# KiCad board for_real_486_rc13.kicad_pcb (continued)
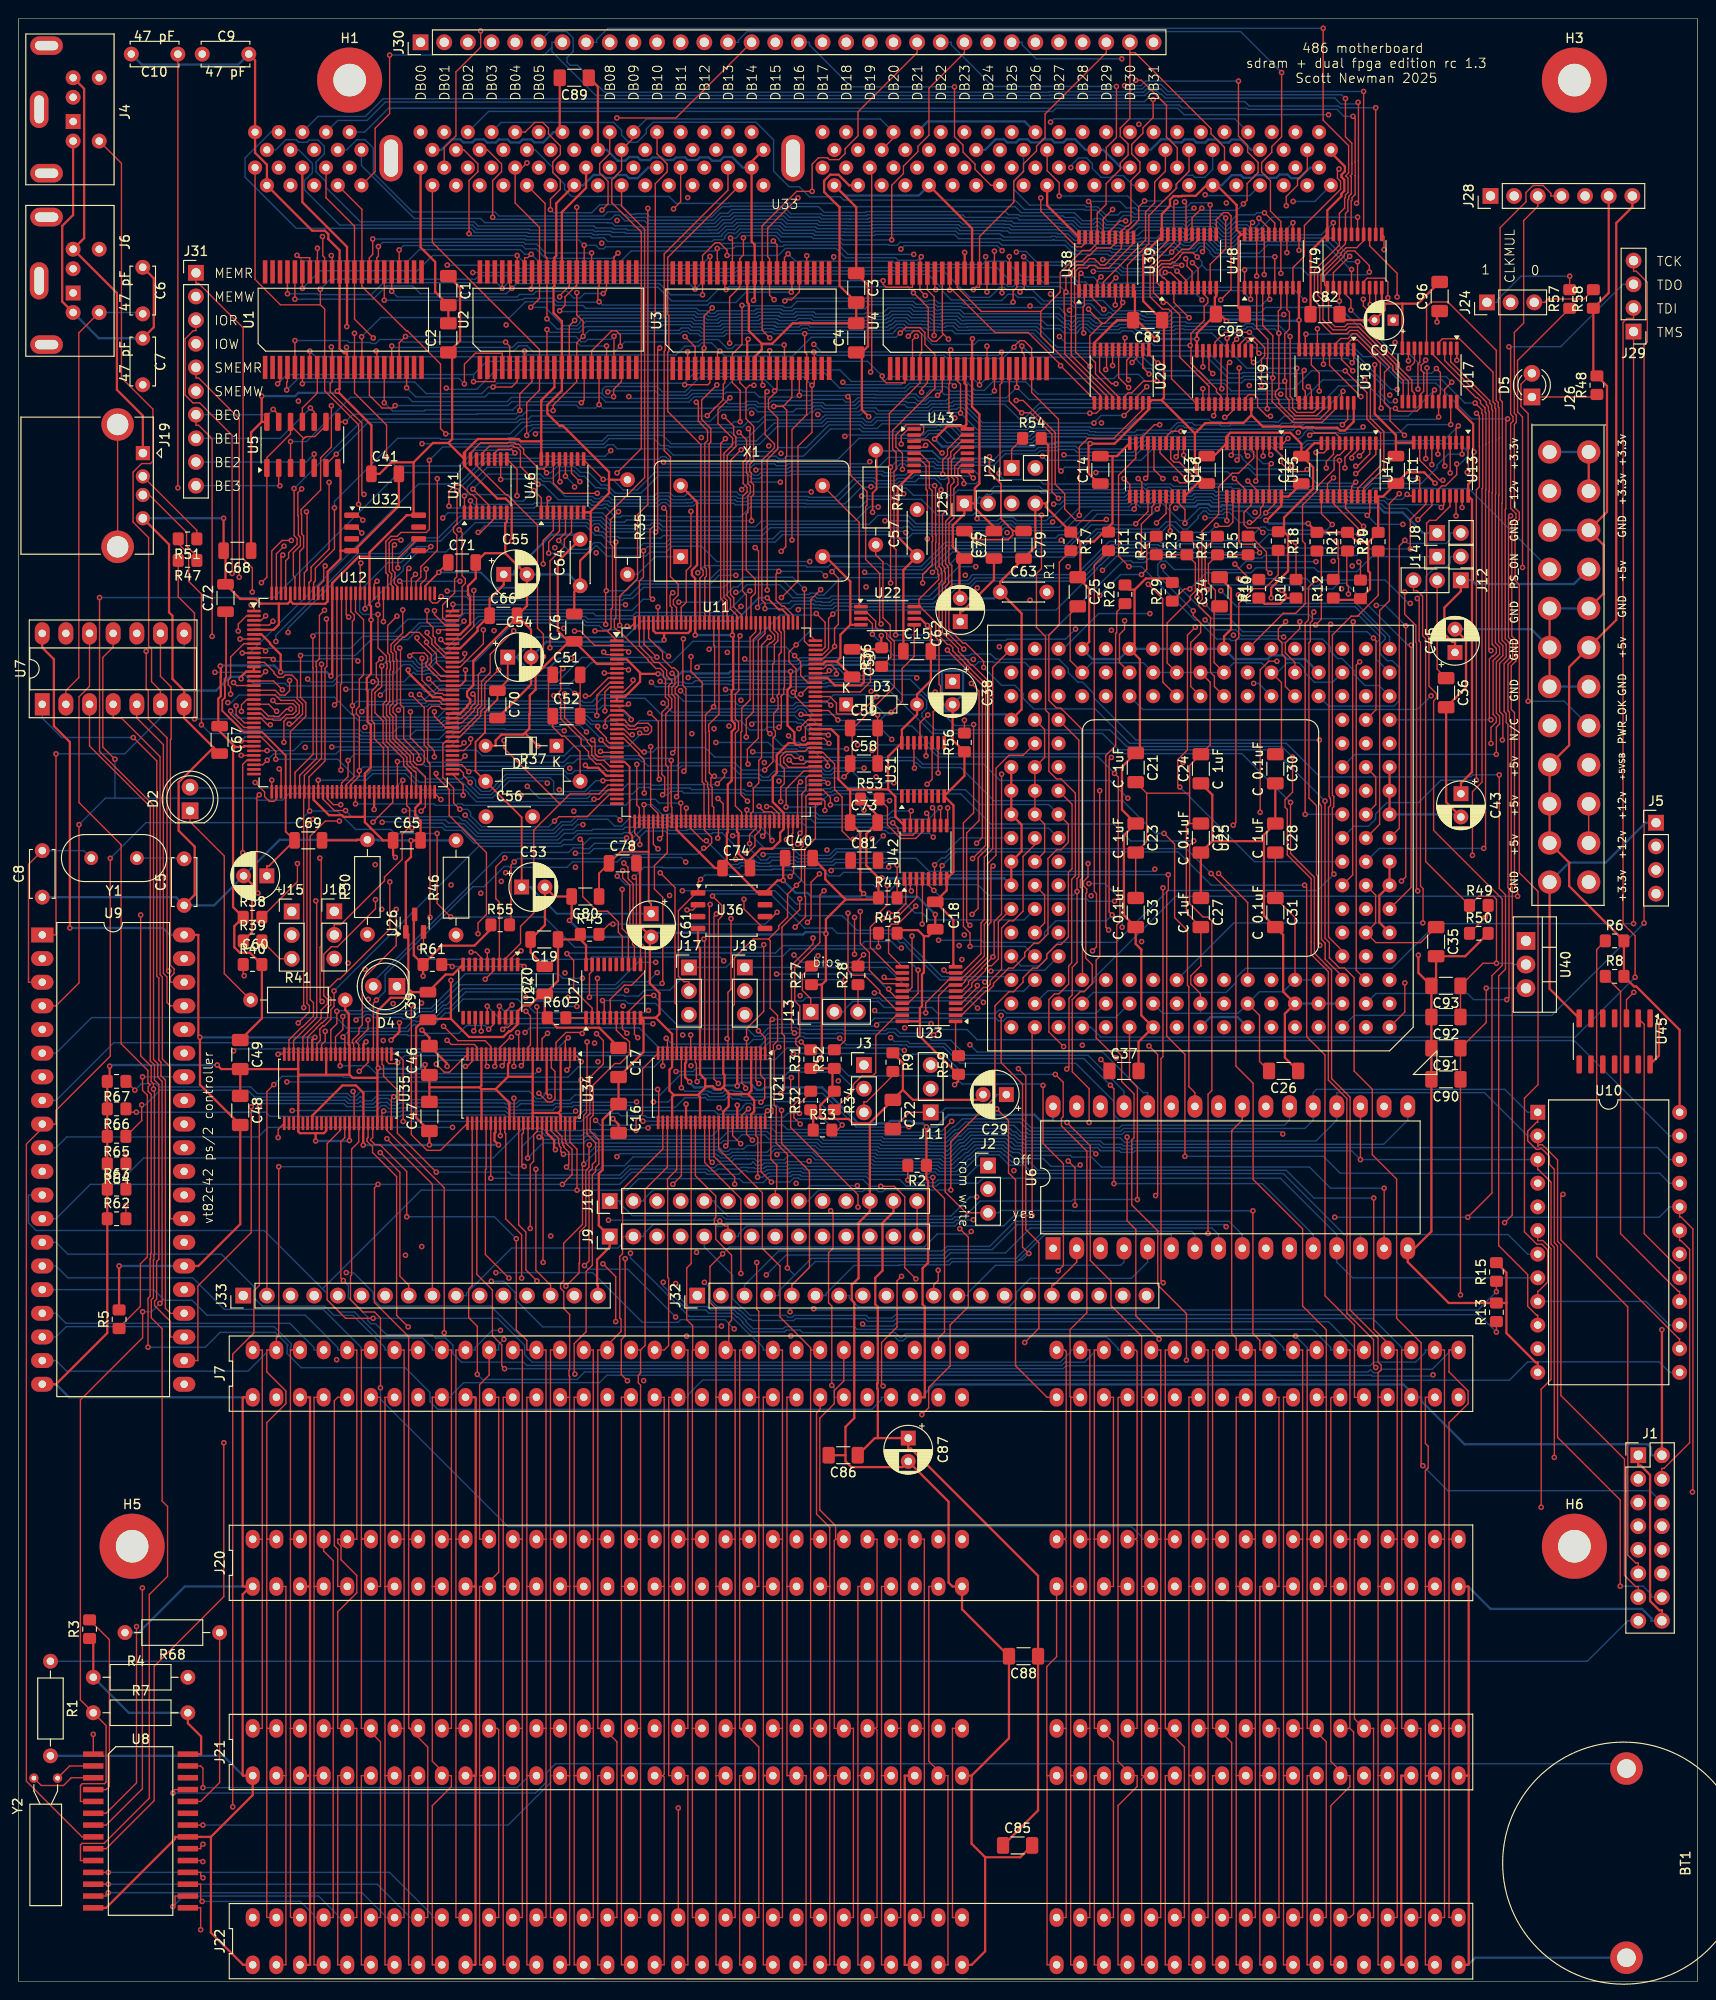
[diagram p0: board, top side]
## Routing (per net, layer and track width the routed paths; a pad name or vN(x,y) marks a point on that pad's centre or on a via; arc(x,y) is an arc through that point) (continued)
A16: length 50.8
  Top w0.15: v1(138.42,162.39) 138.21,162.19 136.54,162.19 135.71,163.01 135.71,163.85 134.99,164.58 U15.2 ; U25.Q9 125.91,139.08 125.91,143.81 126.98,144.88 126.98,145.91 126.19,146.7 v1(126.19,147.21)
  In2.Cu w0.15: v1(139.36,152.5) 139.14,152.72 139.14,161.67 v1(138.42,162.39)
  Bottom w0.15: v1(126.19,147.21) 122.38,151.02 122.38,152.22 122.72,152.56 123.23,152.56 124.13,151.65 130.98,151.65 131.87,152.54 132.45,152.54 132.5,152.5 v1(139.36,152.5)
A17: length 30.7
  Top w0.15: U15.3 134.34,164.14 v1(134.51,163.97)
  In2.Cu w0.15: v1(134.51,163.97) 135.14,163.34 135.14,161.8 135.61,161.33 135.61,154.43 137.03,153.01 137.03,148.37 138.9,146.5 139.38,146.5 141.1,144.78 141.1,139.14 U25.Q3
A18: length 27.3
  Top w0.15: U15.4 v1(133.69,163.84) ; v1(137.63,146.05) 137.63,145.31 136.07,143.75 136.07,142.7 137.11,141.66 U25.R5
  In2.Cu w0.15: v1(137.63,146.05) 136.65,147.03 136.65,152.57 135.04,154.17 135.04,161.05 134.27,161.83 134.27,162.5 133.69,163.08 v1(133.69,163.84)
A19: length 55.7
  Top w0.15: v1(132.9,161.15) 133.04,161.3 U15.5
  In1.Cu w0.15: v1(132.21,151.97) 131.49,151.97 129.14,149.62 v1(129.14,149.38)
  In2.Cu w0.15: v1(132.21,151.97) 132.21,152.77 131.62,153.36 131.62,159.87 v1(132.9,161.15)
  Bottom w0.15: U25.Q4 140.71,136.99 147.76,136.99 148.34,137.57 148.34,141.09 147.58,141.86 147.02,141.86 146.23,142.65 146.23,143.59 146.79,144.15 146.79,144.43 143.57,147.66 130.86,147.66 v1(129.14,149.38)
A20: length 31.3
  Top w0.15: U25.Q8 128.45,139.08 128.45,140.18 128.04,140.6 128.04,146.48 126.78,147.74 126.78,148.07 127.15,148.44 127.15,148.92 127.1,148.97 127.1,149.03 127.11,149.03 127.11,155.76 128.91,157.56 128.91,160.54 130.37,162 131.05,162 132.68,163.63 132.68,164.29 132.39,164.58 U15.6
A20M: length 25.7
  In1.Cu w0.15: J3.1 92.04,98.42 97.07,103.45 97.69,103.45 102.74,108.51 v1(104.45,108.51)
  Bottom w0.15: v1(104.45,108.51) 104.54,108.61 110.21,108.61 U25.D15
A21: length 30.3
  Top w0.15: U25.Q5 136.07,139.08 136.07,142.17 135.72,142.52 135.72,143.75 135.32,144.16 135.32,145.27 v1(136.1,146.06) ; v1(132.04,163.85) 131.74,164.15 U15.7
  In2.Cu w0.15: v1(136.1,146.06) 136.27,146.22 136.27,151.95 134.69,153.53 134.69,154.03 134.55,154.17 134.55,155.06 134.69,155.2 134.69,159.96 133.83,160.83 133.83,162.06 v1(132.04,163.85)
A22: length 28.6
  Top w0.15: v1(130.89,163.4) 131.09,163.6 U15.8
  In2.Cu w0.15: U25.Q7 130.73,139.35 130.73,144.01 131.62,144.9 131.62,152.69 131.26,153.04 131.26,161.09 131.47,161.29 131.47,162.82 v1(130.89,163.4)
A23: length 30.7
  Top w0.15: U15.9 130.44,164.11 v1(130.26,163.93)
  In2.Cu w0.15: v1(136.77,162.78) 137.02,162.54 137.02,156.06 138.08,155 138.08,150.01 138.44,149.66 138.44,149.12 142.19,145.36 U25.S3
  Bottom w0.15: v1(130.26,163.93) 130.32,163.98 131.2,163.98 131.46,163.72 131.46,163.56 132.12,162.9 132.25,162.9 132.71,162.45 136.44,162.45 v1(136.77,162.78)
A24: length 32.4
  Top w0.15: v1(124.35,163.75) 124.57,163.97 U16.2
  In1.Cu w0.15: v1(130.5,144.6) 130.89,144.21 130.89,140.23 131.7,139.42 v1(132.67,139.42)
  In2.Cu w0.15: v1(124.35,163.75) 124.85,163.25 124.85,160.81 125.99,159.68 125.99,153.86 129.72,150.13 129.72,145.38 v1(130.5,144.6)
  Bottom w0.15: U25.Q6 133.2,139.42 v1(132.67,139.42)
A25: length 51.8
  Top w0.15: U16.3 123.77,165.07 123.77,163.51 124.11,163.18 124.69,163.18 126.1,161.77 126.1,161.33 125.72,160.96 124.73,160.96 v1(124.28,161.42)
  In1.Cu w0.15: v1(124.28,161.42) 129.23,166.37 v1(137.47,166.37)
  In2.Cu w0.15: v1(137.47,166.37) 137.37,166.27 137.37,156.28 138.44,155.22 138.44,150.15 138.79,149.8 138.79,149.29 143.23,144.84 143.23,141.73 144.37,140.59 U25.R2
A26: length 47.5
  Top w0.15: v1(124.86,166.5) 123.85,166.5 123.27,165.91 U16.4
  In2.Cu w0.15: v1(144.43,166.96) 144.61,166.78 144.61,159.27 144.29,158.95 144.29,157.19 144.63,156.85 144.72,156.85 145.05,156.52 145.05,156.04 144.93,155.92 144.93,143.32 U25.S2
  Bottom w0.15: v1(144.43,166.96) 144.18,166.72 142.54,166.72 142.45,166.63 141.97,166.63 141.88,166.72 139.36,166.72 139.08,167 138.31,167 138.02,166.72 137.94,166.72 137.71,166.95 137.23,166.95 136.9,166.61 136.83,166.61 136.8,166.65 135.97,166.65 135.69,166.37 124.99,166.37 v1(124.86,166.5)
A27: length 39.3
  Top w0.15: U16.5 122.61,164.17 125.25,161.54 v1(125.43,161.54)
  In2.Cu w0.15: v1(131.03,148.93) 131.03,149.43 126.39,154.07 126.39,160.58 v1(125.43,161.54)
  Bottom w0.15: U25.S1 147.27,144.45 143.71,148.01 131.96,148.01 v1(131.03,148.93)
A28: length 44.6
  Top w0.15: U16.6 121.96,162.37 v1(122.92,161.42)
  In2.Cu w0.15: v1(127.45,147.92) 127.45,148.77 125.14,151.08 125.14,155.18 123.6,156.72 123.6,160.52 122.92,161.2 v1(122.92,161.42)
  Bottom w0.15: U25.R1 145.81,142.05 145.81,143.74 146.2,144.13 146.2,144.48 144.04,146.64 143.15,146.64 142.88,146.36 139.04,146.36 138.58,146.82 128.55,146.82 v1(127.45,147.92)
A29: length 49.5
  Top w0.15: U25.P2 145.81,136.59 145.81,144.02 v1(145.54,144.29) ; v1(121.06,161.44) 121.32,161.7 U16.7
  In2.Cu w0.15: v1(122.96,151.98) 122.96,154.05 121.06,155.95 v1(121.06,161.44)
  Bottom w0.15: v1(145.54,144.29) 144.86,144.97 131.5,144.97 130.09,146.38 128.14,146.38 127.7,146.82 127.62,146.82 122.96,151.48 v1(122.96,151.98)
A30: length 51.3
  Top w0.15: v1(122.58,167.2) 122.01,167.2 120.67,165.86 U16.8
  In2.Cu w0.15: U25.P3 140.75,136.95 140.75,140.98 139.98,141.75 139.51,141.75 138.26,143 138.26,143.46 137.32,144.39 v1(135.9,144.39) ; v1(122.58,167.2) 122.34,166.97 122.34,160.97 123.24,160.07 123.24,156.34 123.09,156.19 123.09,155.6 124.79,153.9 124.79,149.34 124.99,149.13 124.99,147.59 125.82,146.77 125.82,145.2 126.19,144.83 126.68,144.83 127.46,145.62 v1(127.46,146.24)
  Bottom w0.15: v1(127.46,146.24) 128.53,145.17 130.74,145.17 131.38,144.54 135.76,144.54 v1(135.9,144.39)
A31: length 49.2
  Top w0.15: v1(119.29,151.96) 118.16,153.09 118.16,161.77 120.02,163.62 U16.9
  Bottom w0.15: v1(119.29,151.96) 120.62,151.96 126.39,146.2 126.69,146.2 128.71,144.18 130.1,144.18 130.26,144.02 130.74,144.02 130.9,144.18 135.29,144.18 135.66,143.82 136.14,143.82 136.5,144.18 140.07,144.18 140.92,143.33 140.92,142.86 141.7,142.09 142.16,142.09 143.44,140.81 143.44,140.38 144.63,139.19 146.13,139.19 U25.Q1
AB00: length 446
  Top w0.15: v1(34.6,126.39) 33.81,126.39 33.19,127.01 U12.49 ; v1(79.74,94.43) 80.15,94.84 80.15,96.87 79.7,97.32 U21.2 ; v1(117.28,96.26) 117.67,95.87 v1(117.67,85.69) ; U8.10 6.64,12.98 6.64,14.66 6.81,14.82 9.18,14.82 14.03,19.68 14.03,41.54 16,43.51 16,51 15.42,51.58 15.42,70.11 14.25,71.27 14.25,73.21 14.48,73.43 14.48,77.47 14.54,77.53 14.54,78.02 14.59,78.07 14.59,95.74 v1(14.49,95.84) 14.49,96.42 14.24,96.67 14.24,98.29 13.11,99.41 v1(13.11,114.54) ; v1(159.64,81.5) 160.45,82.32 160.45,117.51 160.34,117.62 160.34,135.35 160.15,135.54 160.15,136.33 159.99,136.49 159.99,141.46 160.5,141.97 160.5,143.9 160.05,144.35 160.05,157.19 v1(160.27,157.41) ; J1.4 176.53,55.1 176.75,55.1 179.51,57.86 179.51,78.63 178.56,79.57 178.43,79.57 U10.19 ; U13.18 v1(154.42,157.41)
  In1.Cu w0.15: v1(14.49,95.84) 27.08,95.84 v1(29.38,93.54) ; v1(13.11,114.54) 13.49,114.54 25.34,126.39 v1(34.6,126.39) ; U10.19 177.35,80.65 176.28,81.73 159.86,81.73 v1(159.64,81.5) 140.35,81.5 139.06,80.22 139.06,78.74 ; v1(79.74,94.43) 80.11,94.8 82.11,94.8 82.44,95.13 82.44,95.25 87.11,99.91 92.22,99.91 v1(93.67,101.37) ; v1(154.42,157.41) v1(160.27,157.41)
  Bottom w0.15: v1(117.67,85.69) 133.59,85.69 139.06,80.22 139.06,78.74 ; v1(117.28,96.26) 114.42,99.12 101.11,99.12 99.5,100.73 95.72,100.73 95.5,100.96 94.08,100.96 v1(93.67,101.37) ; v1(29.38,93.54) 38.45,93.54 38.97,94.06 39.35,94.06 39.35,94.07 39.44,94.07 39.77,93.74 40.83,93.74 40.91,93.82 42.46,93.82 42.55,93.91 52.35,93.91 52.68,93.58 57.4,93.58 57.75,93.93 59.48,93.93 59.63,94.08 65.69,94.08 65.88,93.89 70.55,93.89 71.57,94.91 73.61,94.91 73.64,94.94 73.75,94.94 74.02,94.68 75.85,94.68 76.18,95.01 76.48,95.01 76.7,94.78 77.44,94.78 77.57,94.65 79.51,94.65 v1(79.74,94.43)
AB01: length 577.7
  Top w0.15: v1(32.54,141.48) 32.54,131.37 30.69,129.53 U12.44 30.62,127.7 v1(30.62,104.6) ; U1.3 28.08,171.83 28.06,171.83 v1(27.82,171.59) ; U4.3 95.22,171.7 93.21,171.7 92.77,172.13 v1(92.77,172.43) ; U10.20 178.43,82.11 178.56,82.11 179.86,80.82 179.86,52.61 v1(179.81,52.56) ; U21.3 79.2,96.76 v1(79.52,96.43) ; U13.17 153.76,158.44 152.26,156.93 151.57,156.93 151.26,156.62 151.26,144.61 151.5,144.36 151.5,139.12 152.31,138.32 152.31,137.84 152,137.54 152,123.63 159.37,116.26 159.37,109.12 158.27,108.02 158.27,84.68 v1(155.67,82.08) ; v1(22.04,57.86) 22.04,41.33 14.56,33.85 14.56,19.41 9.4,14.25 U8.9 ; v1(48.87,171.83) 51.16,171.83 U2.3 ; U3.3 v1(71.87,175.03) ; v1(61.32,89.85) 61.28,89.81 61.28,87.46 60.93,87.11 60.93,81.17 60.26,80.5 60.26,77.18 60.21,77.13 60.21,76.1 v1(58.79,74.68)
  In1.Cu w0.15: 60.95,74.02 60.95,73.32 60.16,72.53 43.28,72.53 39.12,68.37 39.12,67.32 38.21,66.41 34.53,66.41 ; 60.95,74.02 61.71,74.79 68.72,74.79 69.85,73.66 J32.1 74.02,73.66 74.02,73.94 75.37,75.29 79.72,75.29 v1(80.33,75.89) ; 60.95,74.02 60.15,74.82 58.93,74.82 v1(58.79,74.68) ; 34.53,66.41 31.5,63.38 31.5,62.28 27.08,57.86 v1(22.04,57.86) ; 34.53,66.41 v1(34.16,66.78) ; 136.52,81.06 137.54,82.08 v1(141.38,82.08) ; 136.52,81.06 U6.11 ; 136.52,81.06 v1(129.72,81.06) ; v1(179.81,52.56) 175.96,52.56 175.12,51.72 175.12,51.44 173.99,51.44 ; v1(79.52,96.43) 79.17,96.79 76.72,96.79 75.17,95.23 69.92,95.23 67.74,93.04 66.81,93.04 63.62,89.85 v1(61.32,89.85)
  In2.Cu w0.15: v1(32.54,141.48) 31.96,142.06 31.96,143.13 32.25,143.42 32.25,145.28 30.47,147.06 30.47,156.58 28.83,158.22 28.83,160.75 28.31,161.27 28.31,168.99 27.82,169.47 v1(27.82,171.59) ; v1(30.62,104.6) 30.62,103.54 33.02,101.15 33.02,71.21 34.16,70.07 v1(34.16,66.78)
  Bottom w0.15: v1(92.77,172.43) 91.19,174.01 71.87,174.01 ; v1(27.82,171.59) 28.82,172.59 48.87,172.59 ; v1(80.33,75.89) 82.45,78.02 99.29,78.02 99.87,78.6 104.58,78.6 107.27,81.29 129.49,81.29 v1(129.72,81.06) ; U10.20 177.35,83.19 176.24,82.08 v1(155.67,82.08) v1(141.38,82.08) ; 48.87,172.59 50.29,174.01 71.87,174.01 ; 48.87,172.59 v1(48.87,171.83) ; 71.87,174.01 v1(71.87,175.03)
AB02: length 530.4
  Top w0.15: 2.97,92.08 4.02,92.08 4.02,93.56 9.84,99.38 v1(9.84,120.63) ; 2.97,92.08 0.84,89.94 0.84,21.5 6.81,15.52 U8.8 ; 2.97,92.08 U9.9 ; U11.73 85.59,122.75 84.44,121.6 84.44,116.57 84.53,116.49 84.53,114.35 v1(83.42,113.24) ; v1(71.58,176.66) 72.67,175.57 U3.4 ; U4.4 96.02,176.3 v1(96.43,176.71) ; U1.4 28.88,171.83 28.79,171.74 v1(28.79,170.93) ; U13.16 153.12,158.6 v1(152.82,158.31) ; 78.2,101.26 78.2,102.35 80.05,104.2 v1(80.05,111.35) ; 78.2,101.26 U21.5 ; 78.2,101.26 v1(78.18,101.26) ; U2.4 51.95,174.88 49.07,174.88 47.89,173.7 v1(47.89,171.58) ; v1(44.96,123.3) 44.96,115.79 v1(46.41,114.33) ; v1(31.27,125.71) 31.19,125.79 U12.45 31.19,129.37 32.91,131.09 32.91,141.04 33.11,141.24 33.11,146.29 v1(33.06,146.34)
  In1.Cu w0.15: 133.99,78.74 133.99,77.26 128.39,71.67 83.93,71.67 83.11,72.49 82.61,72.49 81.79,73.31 81.79,74.04 81.04,74.79 77.41,74.79 76.56,73.94 76.56,73.66 J32.2 ; v1(80.05,111.35) 81.94,113.24 v1(83.42,113.24) ; v1(47.89,171.58) 47.89,171.71 50.62,174.45 69.37,174.45 v1(71.58,176.66) 72.84,177.92 95.22,177.92 v1(96.43,176.71)
  In2.Cu w0.15: v1(96.43,176.71) 97.1,177.37 99.72,177.37 102.02,175.07 102.02,174.29 102.38,173.93 102.38,169.75 107.82,164.3 107.82,162.04 v1(111.18,158.68) ; v1(28.79,170.93) 28.79,167.46 30.78,165.47 30.78,163.42 31.5,162.7 31.5,147.79 32.82,146.47 32.93,146.47 v1(33.06,146.34) ; J32.2 75.44,74.79 75.05,75.18 75.05,81.12 74.74,81.43 74.74,81.91 75.05,82.22 75.05,87.71 76.58,89.24 76.58,99.67 v1(78.18,101.26)
  Bottom w0.15: v1(111.18,158.68) 111.9,158.68 112.3,159.08 118.96,159.08 119.31,159.42 119.57,159.42 119.58,159.43 120.37,159.43 120.73,159.08 121.14,159.08 121.23,159.17 121.52,159.17 121.78,159.43 122.85,159.43 122.85,159.43 123.2,159.43 123.46,159.17 126.15,159.17 126.43,159.44 128.15,159.44 128.42,159.17 128.83,159.17 128.97,159.31 129.85,159.31 129.85,159.3 129.93,159.3 129.94,159.3 130.7,159.3 130.83,159.17 142.71,159.17 142.82,159.05 146.68,159.05 147.12,158.61 152.53,158.61 v1(152.82,158.31) ; v1(9.84,120.63) 13.67,124.46 28.67,124.46 28.7,124.43 29.18,124.43 29.2,124.46 30.02,124.46 v1(31.27,125.71) 34.22,125.71 36.2,123.73 39.97,123.73 40.4,123.3 v1(44.96,123.3) ; v1(47.89,171.58) 47.29,172.18 30.04,172.18 v1(28.79,170.93) ; v1(46.41,114.33) 56.47,114.33 59.72,111.08 79.77,111.08 v1(80.05,111.35)
AB03: length 465.8
  Top w0.15: U11.74 86.39,127 86.61,126.78 v1(86.61,125.78) ; v1(78.1,95.93) 78.1,96.09 77.7,96.49 U21.6 ; v1(64.14,70.87) 64.14,75.7 v1(62.77,77.07) ; v1(93.67,150.2) v1(93.67,162.64) 93.53,162.77 93.53,168.41 96.83,171.7 96.83,174.75 97.01,174.94 97.01,176.95 96.67,177.28 96.15,177.28 v1(95.57,176.71) ; U8.7 9.4,16.79 13.3,20.69 v1(13.3,42.26) ; U1.5 v1(29.68,176.24) ; U2.5 52.75,175.64 v1(52.31,176.08) ; v1(84.74,113.75) 85.13,114.14 85.13,118.06 v1(86.03,118.96) ; U3.5 73.47,175.25 v1(73.64,175.42) 73.64,178.88 v1(74.51,179.75) ; U13.15 152.46,160.21 152.89,160.64 153.28,160.64 154.49,161.85 v1(154.49,162.98)
  In1.Cu w0.15: v1(95.57,176.71) 95.35,176.48 93.51,176.48 92.42,177.57 75.79,177.57 v1(73.64,175.42) ; v1(13.3,42.26) 32.14,61.11 58.24,61.11 59.44,62.31 59.44,63.27 62.71,66.54 63.74,66.54 64.76,67.56 64.76,68.49 65.64,69.37 ; v1(64.14,70.87) 65.64,69.37 ; 65.64,69.37 68.56,72.29 76.61,72.29 J32.3 ; v1(62.77,77.07) 60.76,79.08 57.27,79.08 56.58,79.76 56.58,80.32 64.27,88.01 71.94,88.01 77.8,93.86 77.8,95.63 v1(78.1,95.93) ; v1(92.12,129.36) 88.53,125.78 v1(86.61,125.78) ; v1(74.51,179.75) 66,179.75 62.33,176.08 v1(52.31,176.08)
  In2.Cu w0.15: v1(86.61,125.78) 86.03,125.19 v1(86.03,118.96) ; v1(92.12,129.36) 92.25,129.49 92.25,133.74 90.99,135 90.99,138.45 90.76,138.68 90.76,141.67 90.58,141.85 90.58,142.62 90.78,142.82 90.78,147.31 v1(93.67,150.2) ; v1(84.74,113.75) 84.06,113.06 84.06,107.03 81.87,104.85 81.87,103.28 78.1,99.51 v1(78.1,95.93)
  Bottom w0.15: 131.44,78.74 131.44,80.22 130.02,81.64 107,81.64 104.31,78.95 99.72,78.95 99.23,78.45 81.64,78.45 77.98,74.79 J32.3 ; v1(154.49,162.98) 154.84,162.98 155.65,163.79 155.65,164.34 154.84,165.15 138.5,165.15 138.07,164.71 137.91,164.71 137.84,164.79 135.14,164.79 134.72,165.22 121.28,165.22 120.96,164.9 120.82,165.04 120.53,165.04 119.73,164.24 113.7,164.24 113.4,164.54 111.69,164.54 111.57,164.42 109.75,164.42 109.4,164.07 105.99,164.07 104.76,162.84 98.65,162.84 98.29,163.21 95.46,163.21 95.33,163.34 94.37,163.34 v1(93.67,162.64) ; v1(52.31,176.08) 41.34,176.08 41.06,176.36 38.8,176.36 38.37,175.92 37.89,175.92 37.78,176.03 35.52,176.03 35.3,176.24 v1(29.68,176.24)
AB04: length 442.8
  Top w0.15: U8.6 9.4,18.06 12.67,21.33 v1(12.67,38.12) ; v1(82.59,76.62) 82.59,88.82 81.38,90.03 81.38,93.89 81.17,94.11 81.17,99.9 81.08,99.99 81.08,100.59 81.53,101.04 81.53,103.74 80.74,104.53 80.74,111.77 80.55,111.96 ; U13.14 151.81,158.51 v1(150.32,157.01) ; v1(50.96,171.25) 52.97,171.25 53.55,171.83 U2.6 ; U11.75 84.83,127.5 84.58,127.25 84.58,123.15 84.26,122.83 84.26,121.92 84.09,121.75 84.09,118.26 v1(83.55,117.72) 82.6,116.77 82.6,114.33 81.65,113.38 81.65,113.05 80.55,111.96 ; 80.55,111.96 78.92,111.96 76.88,109.93 76.88,104.92 76.7,104.74 U21.8 ; 97.62,173.22 97.62,171.7 97,171.07 v1(97,170.68) ; U3.6 74.27,171.73 74.04,171.5 v1(71.55,171.5) ; U1.6 v1(30.48,171.6)
  In1.Cu w0.15: v1(97,170.68) 97.69,171.37 v1(100.52,171.37) ; v1(83.55,117.72) 85.69,117.72 v1(87.28,119.31) ; v1(12.67,38.12) 18.24,43.69 30.69,43.69 34.04,47.04 34.04,48.01 43.92,57.9 57.57,57.9 61.98,62.31 61.98,63.19 65.32,66.54 66.28,66.54 67.3,67.56 67.3,68.9 70.34,71.94 77.95,71.94 79.39,73.38 79.39,73.66 J32.4
  In2.Cu w0.15: v1(97,170.68) 97,168.67 103.19,162.48 103.19,160.31 102.96,160.09 v1(102.96,157.11) 102.25,156.4 102.25,151.61 102.3,151.55 102.3,144.75 100.96,143.41 100.96,142.41 99.19,140.65 99.19,135.22 95.31,131.34 95.31,126.58 95.31,126.58 95.31,122.39 93.46,120.54 v1(93.46,119.7)
  Bottom w0.15: v1(87.28,119.31) 87.51,119.54 93.3,119.54 v1(93.46,119.7) ; v1(100.52,171.37) 100.26,171.63 95.67,171.63 95.19,171.15 88.2,171.15 86.62,172.73 72.54,172.73 71.47,171.66 ; 71.47,171.66 71.47,171.58 v1(71.55,171.5) ; 71.47,171.66 51.37,171.66 v1(50.96,171.25) 50.45,171.25 49.75,170.54 43.78,170.54 42.54,171.79 30.67,171.79 v1(30.48,171.6) ; v1(102.96,157.11) 103.19,156.89 105.16,156.89 105.51,157.24 106.86,157.24 107.21,156.89 110.39,156.89 110.84,157.34 111.12,157.34 112.51,158.73 119.11,158.73 119.45,159.07 119.72,159.07 119.73,159.08 120.23,159.08 120.58,158.73 121.57,158.73 121.66,158.81 121.66,158.81 121.93,159.08 122.7,159.08 122.7,159.08 123.05,159.08 123.32,158.81 126.3,158.81 126.57,159.09 128.01,159.09 128.28,158.81 128.97,158.81 129.11,158.95 129.7,158.95 129.71,158.95 129.79,158.95 129.79,158.95 130.56,158.95 130.69,158.81 142.56,158.81 142.67,158.7 146.35,158.7 146.85,158.21 149.12,158.21 v1(150.32,157.01) ; J32.4 81.64,73.66 81.64,74.14 83.36,75.85 ; 83.36,75.85 v1(82.59,76.62) ; 83.36,75.85 85.17,77.67 99.54,77.67 100.11,78.24 106.01,78.24 108.68,80.92 128.2,80.92 128.9,80.22 U6.8
AB05: length 322.1
  Top w0.15: v1(149.5,153.86) 149.5,157 151.17,158.67 U13.13 ; v1(31.28,175.11) U1.7 ; v1(81.96,93.56) 81.96,90 84.95,87.01 84.95,76.68 83.06,74.79 J32.5 ; U11.76 86.38,128 87.21,127.18 v1(87.21,126.38) ; 76.2,101.26 v1(76.1,101.26) ; 76.2,101.26 U21.9 ; 76.2,101.26 76.2,106.23 76.53,106.56 v1(76.53,114.15) ; U3.7 75.07,174.85 v1(75.33,175.11) ; v1(94.71,177.06) 95.29,177.64 96.82,177.64 97.36,177.09 97.36,175.82 98.42,174.75 U4.7 98.42,171.12 93.89,166.58 93.89,164.58 94.26,164.21 94.26,162.4 94.04,162.18 94.04,153.98 94.26,153.76 94.26,144.68 v1(94.21,144.63) ; U2.7 v1(54.36,175.11)
  In1.Cu w0.15: v1(76.53,114.15) 79.17,114.15 86.54,121.52 v1(86.83,121.52)
  In2.Cu w0.15: v1(75.24,93.84) 74.59,94.49 74.59,96.77 76.1,98.27 v1(76.1,101.26) ; v1(86.83,121.52) 87.21,121.9 v1(87.21,126.38) ; v1(90.82,125.8) 93.07,128.05 93.07,133.97 94.3,135.2 94.3,144.53 v1(94.21,144.63)
  Bottom w0.15: v1(81.96,93.56) 81.43,94.09 80.22,94.09 79.98,93.85 79.11,93.85 78.66,94.3 78.13,94.3 77.82,93.99 77.82,93.87 77.46,93.51 75.57,93.51 v1(75.24,93.84) ; v1(149.5,153.86) 144.47,153.86 143.76,153.16 133.83,153.16 133.55,152.88 133.07,152.88 133.07,152.88 132.61,152.88 132.58,152.91 122.57,152.91 122.47,152.8 121.36,152.8 120.95,152.39 119.69,152.39 119.52,152.57 118.63,152.57 110.68,144.63 v1(94.21,144.63) ; v1(87.21,126.38) 90.24,126.38 v1(90.82,125.8) ; v1(94.71,177.06) 94.25,176.6 85.16,176.6 83.13,174.57 75.87,174.57 v1(75.33,175.11) 74.44,175.99 73.4,175.99 73.06,175.65 71.58,175.65 70.63,174.7 54.47,174.7 54.36,174.81 ; 54.36,174.81 54.04,174.5 31.89,174.5 v1(31.28,175.11) ; 54.36,174.81 v1(54.36,175.11) ; U6.7 126.36,80.22 126.01,80.57 110.06,80.57 107.14,77.64 100.16,77.64 99.83,77.32 85.59,77.32 83.06,74.79 J32.5
AB06: length 337.7
  Top w0.15: v1(38.41,175.12) 38.48,175.05 U1.16 ; v1(74.54,116.58) 75.55,115.56 75.55,114.42 75.17,114.04 75.17,99.73 U21.11 ; v1(105.31,161.96) 105.43,162.08 105.43,171.5 105.62,171.7 U4.16 105.62,174.94 v1(105.58,174.99) ; v1(86.95,128.69) 86.63,129 U11.78 ; v1(150.31,161.45) 150.51,161.24 U13.12 ; v1(82.24,175.78) 82.27,175.74 U3.16 ; v1(108.52,78.18) 107.84,78.86 107.84,96.38 105.55,98.67 v1(105.55,103.75) ; v1(64.64,175.63) 64.64,176.86 64.22,177.28 63.7,177.28 61.55,175.13 U2.16
  In1.Cu w0.15: v1(105.36,143.35) 104.89,143.35 102.26,140.72 98.61,140.72 94.3,136.42 94.3,136.04 v1(86.95,128.69) ; v1(85.43,175.83) 82.29,175.83 v1(82.24,175.78)
  In2.Cu w0.15: v1(105.36,143.35) 107.89,145.88 107.89,159.25 105.31,161.83 v1(105.31,161.96) ; v1(103.8,107.34) 105.55,105.59 v1(105.55,103.75) ; v1(74.54,116.58) 75.26,117.3 75.26,120.29 77.63,122.67 77.63,127.68 v1(78.53,128.58)
  Bottom w0.15: 107.46,77.47 110.21,80.22 123.83,80.22 123.83,78.74 ; 107.46,77.47 107.81,77.47 v1(108.52,78.18) ; 107.46,77.47 107.29,77.29 100.3,77.29 99.97,76.97 94.65,76.97 94.58,76.9 89.76,76.9 86.72,73.87 86.72,73.66 J32.6 ; v1(105.58,174.99) 105.26,174.66 99.9,174.66 99.54,175.02 86.24,175.02 v1(85.43,175.83) ; v1(105.31,161.96) 105.31,161.83 105.83,161.3 109.61,161.3 110.08,160.83 118.99,160.83 119,160.84 120.96,160.84 121.08,160.72 121.08,160.72 121.2,160.84 123.78,160.84 124.05,160.57 125.57,160.57 125.84,160.84 130.37,160.84 131.14,160.84 131.42,160.57 143.29,160.57 143.4,160.46 144.43,160.46 145.42,161.45 v1(150.31,161.45) ; v1(82.24,175.78) 77.01,175.78 76.62,175.38 76.14,175.38 75.17,176.35 73.25,176.35 72.99,176.09 65.1,176.09 v1(64.64,175.63) 64.06,175.05 55.25,175.05 54.61,175.68 53.76,175.68 53.16,175.08 38.44,175.08 v1(38.41,175.12) ; v1(86.95,128.69) 84.92,128.69 84.45,128.21 78.9,128.21 v1(78.53,128.58) ; v1(103.8,107.34) 103.57,107.57 98.96,107.57 95.4,111.13 95.4,111.23 95.06,111.57 94.66,111.57 93.67,112.56 87.96,112.56 87.39,113.13 84.43,113.13 80.76,116.8 74.76,116.8 v1(74.54,116.58)
AB07: length 304.8
  Top w0.15: v1(81.12,169.17) 81.12,169.16 82.11,169.16 ; U13.11 149.32,159.56 v1(149.16,159.72) ; U3.17 83.07,170.12 82.11,169.16 ; v1(111.7,159.29) 111.01,159.99 111.01,166.17 108.7,168.48 v1(107.76,168.48) 107.67,168.48 106.42,169.73 U4.17 ; v1(74.95,114.66) 74.7,114.41 U21.12 74.7,96.92 v1(75.17,96.44) ; U11.79 84.84,129.5 84.58,129.24 84.58,128 84.14,127.56 84.14,123.53 v1(83.94,123.33) ; 82.11,169.16 82.51,168.77 82.51,163.84 82.41,163.75 82.41,154.09 v1(81.92,153.6) ; v1(39.28,169.57) U1.17 ; U2.17 v1(62.36,169.36)
  In1.Cu w0.15: v1(74.95,114.66) 75.79,115.49 78.04,115.49 84.26,121.71 84.26,123 v1(83.94,123.33) ; v1(72.83,78.31) 74.15,76.98 78.63,76.98 78.98,76.63 79.75,76.63 80.34,77.22 83.73,77.22 87.01,73.94 87.01,73.66 J32.7
  In2.Cu w0.15: v1(83.94,123.33) 83.94,127.47 80.85,130.56 80.85,132.59 80.04,133.41 80.04,145.44 80.99,146.4 80.99,152.67 v1(81.92,153.6) ; v1(72.83,78.31) 72.53,78.6 72.53,88.9 75.81,92.18 75.81,95.8 v1(75.17,96.44)
  Bottom w0.15: J32.7 89.23,73.66 89.23,73.41 90.18,72.46 106.4,72.46 107.19,73.25 107.19,74.02 108.68,75.52 119.54,75.52 121.29,77.26 121.29,78.74 ; v1(107.76,168.48) 107.67,168.48 106.41,169.74 102.22,169.74 101.86,170.1 101.08,170.1 101.08,170.09 99.93,170.09 99.62,169.78 98.96,169.78 98.96,169.78 98.48,169.78 98.48,169.78 97.91,169.78 97.53,169.4 96.47,169.4 96.29,169.58 95.43,169.58 95.3,169.71 91.69,169.71 91.66,169.74 90.29,169.74 89.84,169.29 86.67,169.29 86.38,169.57 85.32,169.57 85.04,169.29 81.25,169.29 v1(81.12,169.17) 81.08,169.12 79.36,169.12 79.14,169.35 78.36,169.35 78.13,169.12 74.79,169.12 74.64,168.97 62.74,168.97 v1(62.36,169.36) 61.98,168.99 60.22,168.99 59.89,169.31 53.6,169.31 53.07,168.79 43.67,168.79 43.56,168.68 40.17,168.68 v1(39.28,169.57) ; v1(149.16,159.72) 148.63,159.18 147.04,159.18 146.82,159.41 142.96,159.41 142.85,159.52 130.98,159.52 130.85,159.65 130.08,159.65 130.08,159.66 130,159.66 130,159.66 128.82,159.66 128.68,159.52 128.57,159.52 128.3,159.79 126.28,159.79 126.01,159.52 123.61,159.52 123.34,159.78 122.99,159.78 122.99,159.79 121.64,159.79 121.37,159.52 121.08,159.52 121,159.43 120.87,159.43 120.52,159.78 119.44,159.78 119.43,159.78 119.16,159.78 118.82,159.43 111.84,159.43 v1(111.7,159.29)
AB08: length 330.3
  Top w0.15: v1(83.87,170.35) 83.87,170.35 U3.18 ; v1(144.6,172.02) 145.2,171.41 145.2,167.92 146.66,166.47 146.66,162.5 144.5,160.34 U14.18 ; U2.18 63.16,175.66 v1(63.16,175.67) ; v1(92.65,145.81) 92.5,145.96 92.5,151.22 91,152.72 91,158.42 91.13,158.56 91.13,160.02 89.34,161.81 89.34,169.96 v1(89.08,170.22) ; U21.13 74.2,115.58 v1(74.29,115.67) ; U11.80 84.35,130 82.45,128.1 82.45,126.16 v1(82.43,126.14) ; 107.23,173.22 v1(107.23,171.22) ; U1.18 v1(40.08,175.66) ; v1(115,92.25) 115,95.89 113.19,97.7 113.19,105.45 114.04,106.3 114.46,106.3 115.33,107.17 115.33,109.2 114.63,109.9 114.63,116.84 114.75,116.96 114.75,117.33 114.4,117.68 114.4,118.15 114.88,118.64 v1(114.88,120.07)
  In1.Cu w0.15: v1(93.56,126.82) 93.56,126.78 98.46,121.88 98.96,121.88 101.65,119.19 114.01,119.19 v1(114.88,120.07) ; 123.83,93.98 123.83,92.5 123.57,92.25 v1(115,92.25) 115,91.81 104.42,81.23 101.53,81.23 101.34,81.42 99.6,81.42 95.29,77.12 95.03,77.12 91.8,73.89 91.8,73.66 J32.8
  In2.Cu w0.15: v1(74.29,115.67) 74.45,115.67 75.61,116.83 75.61,119.94 77.95,122.27 77.95,122.48 81.57,126.11 82.4,126.11 v1(82.43,126.14) ; v1(63.16,175.67) 63.16,172.62 v1(65.55,170.22) ; v1(93.56,126.82) 93.45,126.93 93.45,132.23 94.65,133.43 94.65,138.38 94.83,138.56 94.83,144.85 93.87,145.81 v1(92.65,145.81)
  Bottom w0.15: v1(63.16,175.67) 60.34,175.67 59.98,176.04 53.58,176.04 53.04,175.5 40.24,175.5 v1(40.08,175.66) ; 89.08,170.28 v1(89.08,170.22) ; 89.08,170.28 89.25,170.44 91.95,170.44 92.14,170.44 92.17,170.41 95.44,170.41 95.53,170.5 96.37,170.5 96.4,170.47 96.76,170.11 97.24,170.11 97.58,170.44 97.58,170.58 97.93,170.93 98.96,170.93 99.45,170.44 100.93,170.44 100.94,170.45 102.01,170.45 102.23,170.23 102.41,170.23 102.53,170.1 106.11,170.1 v1(107.23,171.22) 108.53,169.91 138,169.91 140.11,172.02 v1(144.6,172.02) ; 89.08,170.28 89.01,170.35 v1(83.87,170.35) 83.7,170.18 79.55,170.18 79.05,170.68 76.01,170.68 75.88,170.55 72.41,170.55 71.89,170.03 65.75,170.03 v1(65.55,170.22) ; v1(82.43,126.14) 85.67,126.14 86.93,127.41 87.48,127.41 87.62,127.55 90.76,127.55 91.48,126.82 v1(93.56,126.82)